# KiCad board DQBSCEEEEEE.kicad_pcb (continued)
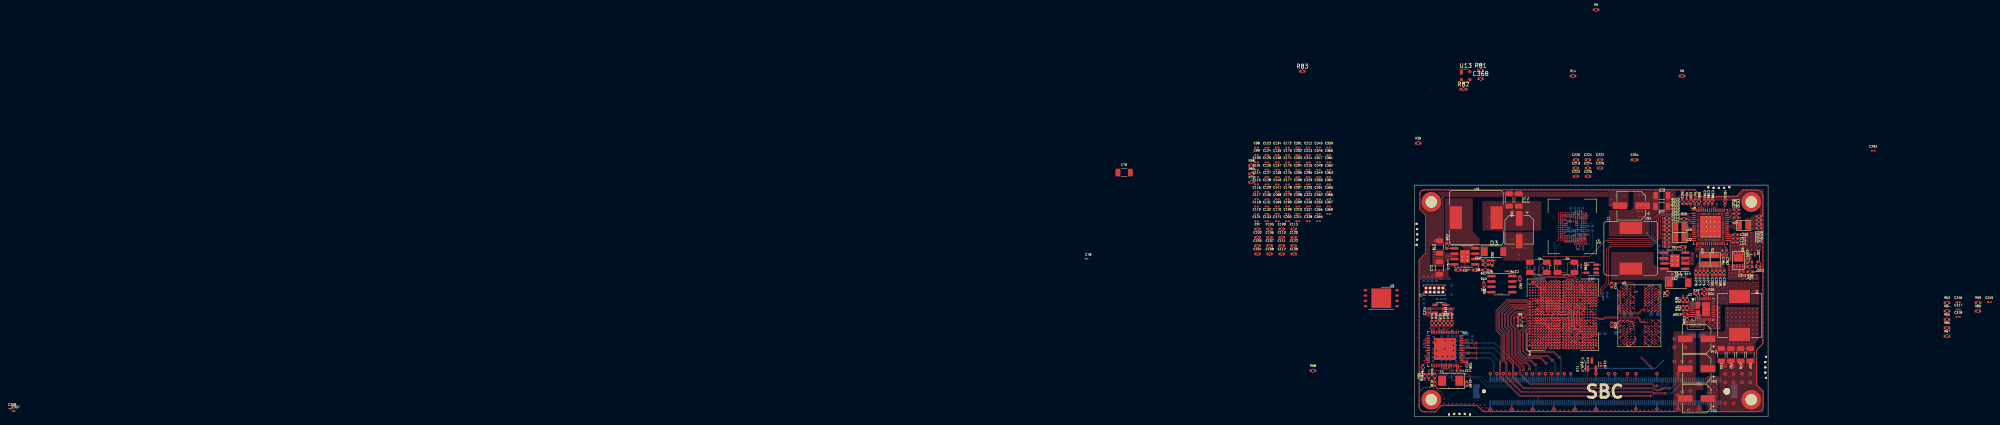
[diagram p0: board, top side]
## Routing (per net, layer and track width the routed paths; a pad name or vN(x,y) marks a point on that pad's centre or on a via; arc(x,y) is an arc through that point) (continued)
/MPU/RTC_CLK: length 5.6
  TOP w0.11: v1(40.01,34.17) U12.5
  TOP w0.25: U1.V22 38.77,30.31
  S1 w0.11: v1(40.01,34.17) 39.07,33.23 39.07,30.61 v1(38.77,30.31)
/MPU/RTC_nRST: length 0.4
  TOP w0.25: U1.W19 39.42,28.36
  vias: v1(39.43,28.36)
/POWER/PMIC_ON: length 4.8
  TOP w0.11: U8.56 65.98,49.01 65.63,49.36 R23.1
  TOP w0.25: R23.1 R24.2 63.64,50.59 C291.1
BOOT_MODE0: length 0.1
  TOP w0.2: 39.13,19.7 39.13,19.67 U1.W6
BOOT_MODE1: length 0.4
  TOP w0.25: U1.V6 38.77,19.37
  vias: v1(38.77,19.37)
BT_DEV_WAKE: length 0.4
  TOP w0.25: U1.G21 v1(31.08,29.66)
  vias: v1(31.08,29.66)
BT_HOST_WAKE: length 0.4
  TOP w0.25: U1.M20 34.33,29.01
  vias: v1(34.33,29.01)
CLK1_N: length 0.4
  TOP w0.25: U1.T23 37.47,30.96
  vias: v1(37.48,30.96)
CLK1_P: length 0.4
  TOP w0.25: U1.R23 36.82,30.96
  vias: v1(36.82,30.96)
CLK2_N: length 0.4
  TOP w0.25: U1.U22 38.12,30.31
  vias: v1(38.13,30.31)
CLK2_P: length 0.4
  TOP w0.25: U1.T22 37.47,30.31
  vias: v1(37.48,30.31)
DRAM_CA0_A: length 0.9
  TOP w0.11: U3.H2 49.51,26.54 v1(49.43,26.54)
  TOP w0.25: U1.AD17 42.67,27.06
  vias: v1(42.68,27.06)
DRAM_CA0_B: length 7.3
  TOP w0.1: U3.R2 v1(49.53,21.36)
  TOP w0.25: U1.AE8 43.32,20.67
  S2 w0.1: v1(49.53,21.36) 49.53,21.36 48.84,20.67 v1(43.32,20.67)
DRAM_CA1_A: length 0.9
  TOP w0.11: U3.J2 49.51,25.89 v1(49.43,25.89)
  TOP w0.25: U1.AE16 43.32,26.41
  vias: v1(43.32,26.41)
DRAM_CA1_B: length 0.4
  TOP w0.25: U1.AE9 43.32,21.32
  vias: v1(43.32,21.32)
DRAM_CA2_A: length 0.9
  TOP w0.11: U3.H9 55.76,26.54 v1(55.83,26.54)
  TOP w0.25: U1.AD20 42.67,29.01
  vias: v1(42.68,29.01)
DRAM_CA2_B: length 0.9
  TOP w0.11: U3.R9 55.76,21.34 v1(55.83,21.34)
  TOP w0.25: U1.AC7 42.02,20.02
  vias: v1(42.02,20.02)
DRAM_CA3_A: length 0.9
  TOP w0.11: U3.H10 56.56,26.54 v1(56.63,26.54)
  TOP w0.25: U1.AE20 43.32,29.01
  vias: v1(43.32,29.01)
DRAM_CA3_B: length 0.9
  TOP w0.11: v1(56.63,21.34) 56.56,21.34 U3.R10
  TOP w0.25: U1.AE7 43.32,20.02
  vias: v1(43.32,20.02)
DRAM_CA4_A: length 0.9
  TOP w0.11: v1(57.43,26.54) 57.36,26.54 U3.H11
  TOP w0.25: U1.AD19 42.67,28.36
  vias: v1(42.68,28.36)
DRAM_CA4_B: length 0.9
  TOP w0.11: U3.R11 57.36,21.34 v1(57.43,21.34)
  TOP w0.25: U1.AE6 43.32,19.37
  vias: v1(43.32,19.37)
DRAM_CA5_A: length 0.9
  TOP w0.11: v1(57.43,25.89) 57.36,25.89 U3.J11
  TOP w0.25: U1.AE19 43.32,28.36
  vias: v1(43.32,28.36)
DRAM_CA5_B: length 0.9
  TOP w0.11: v1(57.43,21.99) 57.36,21.99 U3.P11
  TOP w0.25: U1.AD6 42.67,19.37
  vias: v1(42.67,19.37)
DRAM_CKA_N: length 7.8
  TOP w0.11: 48.22,24.55 48.39,24.39 53.26,24.39 54.18,25.31 54.49,25.31 54.52,25.28 54.75,25.28 54.78,25.31 55.18,25.31 U3.J9
DRAM_CKA_P: length 6.7
  TOP w0.11: U3.J8 54.08,25.56 53.15,24.64 48.49,24.64 48.4,24.73
DRAM_CKB_N: length 13.4
  TOP w0.11: U1.AE12 43.65,23.54 43.88,23.32 44.84,23.32 45.18,23.66 53.18,23.66 53.66,23.19 53.66,22.82 53.91,22.56 54.49,22.56 54.52,22.59 54.75,22.59 55.03,22.31 U3.P9
DRAM_CKB_P: length 13.3
  TOP w0.11: U1.AD12 42.65,23.29 42.82,23.29 42.87,23.25 43.24,23.25 43.29,23.29 43.55,23.29 43.77,23.07 44.94,23.07 45.28,23.41 53.08,23.41 53.41,23.09 53.41,22.71 53.81,22.31 U3.P8
DRAM_CKE0_A: length 0.9
  TOP w0.11: v1(51.03,25.89) 51.11,25.89 U3.J4
  TOP w0.25: U1.AC16 42.02,26.41
  vias: v1(42.02,26.41)
DRAM_CKE0_B: length 9.6
  TOP w0.11: U3.P4 51.11,21.99 v1(51.03,21.99)
  TOP w0.25: U1.AD10 42.67,21.97
  S2 w0.1: v1(42.67,21.97) 42.96,21.68 44.9,21.68 45.23,22.01 51.13,22.01
DRAM_CKE1_A: length 0.4
  TOP w0.25: U1.AE17 43.32,27.06
  vias: v1(43.32,27.06)
DRAM_CKE1_B: length 0.9
  TOP w0.11: v1(51.83,25.89) 51.91,25.89 U3.J5
  TOP w0.25: U1.AE10 43.32,21.97
  vias: v1(43.32,21.97)
DRAM_DM0: length 0.9
  TOP w0.11: v1(50.23,29.79) 50.31,29.79 U3.C3
  TOP w0.25: U1.AD23 42.67,30.96 42.68,30.96
DRAM_DM1: length 21.3
  TOP w0.11: U3.C10 56.56,29.79 v1(56.63,29.79)
  TOP w0.25: U1.AB20 41.37,29.01
  S1 w0.11: v1(41.38,29.01) 41.73,29.37 41.73,30.04 45.21,33.51 55.21,33.51 56.23,32.49 56.23,30.19 v1(56.63,29.79)
DRAM_DM2: length 9.4
  TOP w0.11: v1(50.23,18.09) 50.31,18.09 U3.Y3
  TOP w0.25: U1.AD3 42.67,17.42
  S2 w0.11: 50.33,18.11 50.02,18.43 43.24,18.43 42.98,18.16 42.98,17.91 42.84,17.77 42.84,17.59 v1(42.67,17.42)
DRAM_DM3: length 0.9
  TOP w0.11: v1(56.63,18.09) 56.56,18.09 U3.Y10
  TOP w0.25: U1.AB6 41.37,19.37
  vias: v1(41.37,19.37)
DRAM_DQ0: length 0.9
  TOP w0.11: U3.B2 49.51,30.44 v1(49.43,30.44)
  TOP w0.25: U1.AE23 43.32,30.96
DRAM_DQ1: length 0.9
  TOP w0.11: U3.C2 49.51,29.79 v1(49.43,29.79)
  TOP w0.2: 42.68,31.61 42.41,31.34 U1.AD24
DRAM_DQ2: length 0.9
  TOP w0.11: U3.E2 49.51,28.49 v1(49.43,28.49)
  TOP w0.25: U1.AE22 43.32,30.31
  vias: v1(43.32,30.31)
DRAM_DQ3: length 0.4
  TOP w0.25: U1.AD22 42.67,30.31
  vias: v1(42.68,30.31)
DRAM_DQ4: length 0.9
  TOP w0.11: U3.F4 51.11,27.84 v1(51.03,27.84)
  TOP w0.25: U1.AA24 40.72,31.61
DRAM_DQ5: length 0.9
  TOP w0.11: v1(51.03,28.49) 51.11,28.49 U3.E4
  TOP w0.25: U1.Y25 40.07,32.26
DRAM_DQ6: length 0.9
  TOP w0.11: U3.C4 51.11,29.79 v1(51.03,29.79)
  TOP w0.25: U1.AA25 40.72,32.26
DRAM_DQ7: length 0.9
  TOP w0.11: U3.B4 51.11,30.44 v1(51.03,30.44)
  TOP w0.25: U1.AB25 41.37,32.26
DRAM_DQ8: length 21.9
  TOP w0.11: v1(57.43,30.44) 57.36,30.44 U3.B11
  TOP w0.25: U1.AB22 41.37,30.31
  S1 w0.11: v1(57.43,30.44) 57.21,30.66 57.21,33.59 56.98,33.81 44.28,33.81 41.73,31.26 41.73,30.71 41.38,30.36 v1(41.38,30.31)
DRAM_DQ9: length 27.2
  TOP w0.11: U3.C11 57.4,29.83 57.95,29.83 58.26,30.14 v1(58.26,30.99)
  TOP w0.25: U1.AA22 40.72,30.31
  S1 w0.11: v1(58.26,30.99) 58.26,34.01 57.68,34.59 42.68,34.59 40.13,32.04 40.13,30.79 40.61,30.31 v1(40.73,30.31)
DRAM_DQ10: length 25.8
  TOP w0.11: U3.E11 57.36,28.49 v1(57.43,28.49)
  TOP w0.25: U1.AA23 40.72,30.96
  S1 w0.11: v1(40.73,30.96) 40.58,31.11 40.58,31.49 43.33,34.24 57.43,34.24 57.83,33.84 57.83,30.79 58.08,30.54 58.08,29.91 57.83,29.66 57.83,28.89 v1(57.43,28.49)
DRAM_DQ11: length 28
  TOP w0.11: v1(57.43,27.84) 57.36,27.84 U3.F11
  TOP w0.25: U1.AA20 40.72,29.01
  S1 w0.11: v1(57.43,27.84) 57.03,28.24 57.03,29.24 57.88,30.09 57.88,30.46 ; 57.88,30.46 57.58,30.76 57.58,33.61 57.18,34.01 43.61,34.01 41.08,31.49 41.08,29.37 v1(40.73,29.01) ; 57.88,30.46 57.63,30.71
DRAM_DQ12: length 0.9
  TOP w0.11: v1(55.83,27.84) 55.76,27.84 U3.F9
  TOP w0.25: U1.AA18 40.72,27.71
  vias: v1(40.73,27.71)
DRAM_DQ13: length 0.9
  TOP w0.11: U3.E9 55.76,28.49 v1(55.83,28.49)
  TOP w0.25: U1.AB19 41.37,28.36
  vias: v1(41.38,28.36)
DRAM_DQ14: length 0.9
  TOP w0.11: v1(55.83,29.79) 55.76,29.79 U3.C9
  TOP w0.25: U1.AA19 40.72,28.36
  vias: v1(40.73,28.36)
DRAM_DQ15: length 1.3
  TOP w0.11: v1(55.83,30.44) 55.76,30.44 U3.B9
  TOP w0.25: U1.AE3 43.32,17.42 ; U1.AA17 40.72,27.06
  vias: v1(40.73,27.06) v1(43.32,17.42)
DRAM_DQ16: length 8.1
  TOP w0.11: v1(49.43,17.44) 49.51,17.44 U3.AA2
  TOP w0.25: U1.AD2 42.67,16.77
  S2 w0.1: v1(42.67,16.77) 42.79,16.77 43.13,17.11 49.18,17.11 49.53,17.46 49.53,17.46
DRAM_DQ17: length 7.1
  TOP w0.11: v1(49.43,18.09) 49.51,18.09 U3.Y2
  TOP w0.25: U1.AE4 43.32,18.07
  S2 w0.1: v1(43.32,18.07) 45.09,18.07 45.13,18.11 49.53,18.11
DRAM_DQ18: length 8.6
  TOP w0.11: U3.V2 49.51,19.39 v1(49.43,19.39)
  TOP w0.25: U1.AD4 42.67,18.07
  S2 w0.1: v1(42.67,18.07) 42.67,18.31 42.96,18.6 42.96,18.8 43.23,19.06 44.13,19.06 44.18,19.11 49.23,19.11 49.53,19.41
DRAM_DQ19: length 12.4
  TOP w0.11: v1(49.43,20.04) 49.51,20.04 U3.U2
  TOP w0.25: U1.AA2 40.72,16.77
  S2 w0.1: 49.53,20.06 49.24,19.77 46.63,19.77 46.59,19.81 45.89,19.81 45.72,19.98 45.43,19.98 45.34,19.89 45.1,19.89 44.92,19.71 41.95,19.71 41.68,19.44 41.68,18.61 41.43,18.36 41.25,18.36 41.08,18.19 41.08,17.06 40.79,16.77 v1(40.72,16.77)
DRAM_DQ20: length 16
  TOP w0.11: v1(51.03,20.04) 51.11,20.04 U3.U4
  TOP w0.25: U1.Y1 40.07,16.12
  S2 w0.1: 51.13,20.06 51.13,20.06 50.73,20.46 46.34,20.46 46.04,20.16 45.81,20.16 45.8,20.17 45.35,20.17 45.34,20.16 43.59,20.16 43.44,20.31 41.23,20.31 41.01,20.1 41.01,18.55 40.83,18.36 40.58,18.36 40.38,18.16 40.38,16.43 v1(40.07,16.12)
DRAM_DQ21: length 18.4
  TOP w0.25: U1.AA1 40.72,16.12
  S2 w0.1: 51.73,19.41 52.63,19.41 53.48,18.56 53.48,16.71 52.23,15.46 45.53,15.46 44.88,14.81 42.03,14.81 v1(40.72,16.12)
DRAM_DQ22: length 13.4
  TOP w0.11: v1(51.03,18.09) 51.11,18.09 U3.Y4
  TOP w0.25: U1.AB1 41.37,16.12
  S2 w0.1: 51.73,18.11 51.73,18.02 51.53,17.81 51.53,17.31 51.38,17.16 50.73,17.16 50.23,16.66 43.98,16.66 43.73,16.41 42.63,16.41 42.56,16.48 42.55,16.48 42.33,16.71 42.33,16.91 42.18,17.06 41.83,17.06 41.66,16.9 41.66,16.89 41.66,16.41 v1(41.37,16.12)
DRAM_DQ23: length 11.7
  TOP w0.11: v1(51.03,17.44) 51.11,17.44 U3.AA4
  TOP w0.25: U1.AB4 41.37,18.07
  S2 w0.1: v1(41.37,18.07) 41.66,17.78 42.07,17.78 42.33,17.53 42.33,17.31 42.51,17.13 42.8,17.13 43.03,17.37 43.03,17.54 43.27,17.78 50.82,17.78 51.13,17.46
DRAM_DQ24: length 0.9
  TOP w0.11: U3.AA11 57.36,17.44 v1(57.43,17.44)
  TOP w0.25: U1.AA4 40.72,18.07
  vias: v1(40.72,18.07)
DRAM_DQ25: length 0.9
  TOP w0.11: v1(57.43,18.09) 57.36,18.09 U3.Y11
  TOP w0.25: U1.AA3 40.72,17.42
  vias: v1(40.72,17.42)
DRAM_DQ26: length 0.9
  TOP w0.11: v1(57.43,19.39) 57.36,19.39 U3.V11
  TOP w0.25: U1.AA6 40.72,19.37
  vias: v1(40.72,19.37)
DRAM_DQ27: length 0.9
  TOP w0.11: U3.U11 57.36,20.04 v1(57.43,20.04)
  TOP w0.25: U1.AA8 40.72,20.67
  vias: v1(40.72,20.67)
DRAM_DQ28: length 0.9
  TOP w0.11: U3.U9 55.76,20.04 v1(55.83,20.04)
  TOP w0.25: U1.AA7 40.72,20.02
  vias: v1(40.72,20.02)
DRAM_DQ29: length 0.5
  TOP w0.11: U3.V9 55.76,19.39 v1(55.83,19.39)
DRAM_DQ30: length 0.9
  TOP w0.11: U3.Y9 55.76,18.09 v1(55.83,18.09)
  TOP w0.25: U1.AA9 40.72,21.32
  vias: v1(40.72,21.32)
DRAM_DQS0_N: length 0.4
  TOP w0.25: U1.AC25 42.02,32.26
DRAM_DQS0_P: length 0.9
  TOP w0.11: U3.D3 50.31,29.14 v1(50.23,29.14)
  TOP w0.25: U1.AC24 42.02,31.61
DRAM_DQS1_N: length 0.9
  TOP w0.11: U3.E10 56.56,28.49 v1(56.63,28.49)
  TOP w0.25: U1.AC21 42.02,29.66
  vias: v1(42.02,29.66)
DRAM_DQS1_P: length 0.9
  TOP w0.11: v1(56.63,29.14) 56.56,29.14 U3.D10
  TOP w0.25: U1.AB21 41.37,29.66
  vias: v1(41.38,29.66)
DRAM_DQS2_N: length 17.3
  TOP w0.11: v1(50.23,19.39) 50.31,19.39 U3.V3
  TOP w0.25: U1.AC1 42.02,16.12
  S2 w0.11: 50.33,19.41 50.53,19.22 51,19.22 51.23,18.99 52.33,18.99 52.96,18.37 52.96,17.11 51.73,15.88 45.28,15.88 44.78,15.38 42.52,15.38 42.02,15.88 v1(42.02,16.12)
DRAM_DQS2_P: length 16.8
  TOP w0.11: v1(50.23,18.74) 50.31,18.74 U3.W3
  TOP w0.25: v1(42.02,16.77) 42.02,16.77 U1.AC2
  S2 w0.11: v1(42.02,16.77) 42.02,16.57 42.32,16.27 42.32,15.96 42.63,15.64 44.67,15.64 45.17,16.14 51.62,16.14 52.7,17.22 52.7,18.26 52.22,18.73 51.12,18.73 50.9,18.96 50.53,18.96 50.33,18.76
DRAM_DQS3_N: length 0.9
  TOP w0.11: U3.V10 56.56,19.39 v1(56.63,19.39)
  TOP w0.25: U1.AC5 42.02,18.72
  vias: v1(42.02,18.72)
DRAM_DQS3_P: length 0.9
  TOP w0.11: v1(56.63,18.74) 56.56,18.74 U3.W10
  TOP w0.25: U1.AB5 41.37,18.72
  vias: v1(41.37,18.72)
DRAM_nCS0_A: length 0.9
  TOP w0.11: U3.H4 51.11,26.54 v1(51.03,26.54)
  TOP w0.25: U1.AE18 43.32,27.71
  vias: v1(43.32,27.71)
DRAM_nCS0_B: length 10.5
  TOP w0.11: v1(51.03,21.34) 51.11,21.34 U3.R4
  TOP w0.25: v1(42.02,21.32) 42.02,21.32 U1.AC9
  S2 w0.1: 51.13,21.36 50.68,21.36 50.38,21.66 45.68,21.66 45.05,21.03 42.31,21.03 v1(42.02,21.32)
DRAM_nCS1_A: length 0.9
  TOP w0.11: v1(50.23,26.54) 50.31,26.54 U3.H3
  TOP w0.25: U1.AC18 42.02,27.71
  vias: v1(42.02,27.71)
DRAM_nCS1_B: length 0.4
  TOP w0.25: U1.AD8 42.67,20.67
  vias: v1(42.67,20.67)
DRAM_nRST: length 0.5
  TOP w0.11: U3.T11 57.36,20.69 v1(57.43,20.69)
DRAM_VREF: length 1.7
  TOP w0.25: U8.31 75.17,42.82 75.17,42.84 75.55,43.22 75.75,43.22
DSI_D0_N: length 70.4
  TOP w0.1: v1(59.6,5.27) 59.5,5.38 56.78,5.38 56.38,5.77 54.05,5.77 53.91,5.64 25.44,5.64 21.72,9.36 21.72,12.61 21.17,13.16 21.17,19.61 20.02,20.76 20.02,24.91 22.38,27.27 26.7,27.27 27.18,26.79 U1.A17
  BOT w0.1: J1.A92 63.6,8.25 63.48,8.12 63.48,7.8 61.05,5.38 59.7,5.38 v1(59.6,5.27)
DSI_D0_P: length 70
  TOP w0.1: U1.B17 27.85,26.54 27.68,26.54 27.64,26.5 27.27,26.5 27.23,26.54 27.08,26.54 26.6,27.02 22.48,27.02 20.27,24.81 20.27,20.86 21.42,19.71 21.42,13.26 21.97,12.71 21.97,9.46 25.55,5.89 53.81,5.89 53.95,6.02 56.49,6.02 56.89,5.62 59.5,5.62 v1(59.6,5.72)
  BOT w0.1: J1.A91 63.1,8.25 63.23,8.12 63.23,7.9 60.95,5.62 59.7,5.62 v1(59.6,5.72)
DSI_D1_N: length 66
  TOP w0.1: v1(60.6,6.47) 60.5,6.57 58.85,6.57 58.45,6.17 57.25,6.17 56.85,6.57 25.95,6.57 23.27,9.26 23.27,12.41 21.77,13.91 21.77,19.91 20.72,20.96 20.72,24.71 22.7,26.69 26.63,26.69 27.18,26.14 U1.A16
  BOT w0.1: J1.A89 62.1,8.25 61.98,8.12 61.98,7.7 60.85,6.57 60.7,6.57 v1(60.6,6.47)
DSI_D1_P: length 65.6
  TOP w0.1: v1(60.6,6.92) 60.5,6.82 58.75,6.82 58.35,6.42 57.35,6.42 56.95,6.82 26.06,6.82 23.52,9.36 23.52,12.51 22.02,14.01 22.02,20.01 20.97,21.06 20.97,24.61 22.8,26.44 26.52,26.44 27.07,25.89 27.23,25.89 27.27,25.85 27.64,25.85 27.68,25.89 27.85,25.89 U1.B16
  BOT w0.1: J1.A88 61.6,8.25 61.73,8.12 61.73,7.8 60.75,6.82 60.7,6.82 v1(60.6,6.92)
DSI_D2_N: length 70.1
  TOP w0.1: U1.A18 27.18,27.44 26.83,27.79 21.95,27.79 19.37,25.21 19.37,20.41 20.57,19.21 20.57,13.21 20.27,12.91 20.27,9.46 24.95,4.77 56,4.77 v1(56.1,4.67)
  BOT w0.1: v1(56.1,4.67) 56.2,4.77 56.65,4.77 58.25,6.38 58.95,6.38 60.48,7.9 60.48,8.12 60.6,8.25 J1.A86
DSI_D2_P: length 69.6
  TOP w0.1: U1.B18 27.85,27.19 27.68,27.19 27.64,27.15 27.27,27.15 27.23,27.19 27.08,27.19 26.73,27.54 22.05,27.54 19.62,25.11 19.62,20.51 20.82,19.31 20.82,13.11 20.52,12.81 20.52,9.56 25.06,5.02 56,5.02 v1(56.1,5.12)
  BOT w0.1: J1.A85 60.1,8.25 60.23,8.12 60.23,8 58.85,6.62 58.15,6.62 56.55,5.02 56.2,5.02 v1(56.1,5.12)
DSI_D3_N: length 59.4
  TOP w0.1: U1.A15 27.15,25.49 26.45,26.19 23.2,26.19 21.42,24.41 21.42,21.26 22.42,20.26 22.42,14.16 24.87,11.71 24.87,10.16 27.49,7.54 56.54,7.54 56.9,7.17 57.5,7.17 v1(57.6,7.07)
  BOT w0.1: v1(57.6,7.07) 57.7,7.17 58.45,7.17 58.98,7.7 58.98,8.12 59.1,8.25 J1.A83
DSI_D3_P: length 59
  TOP w0.1: U1.B15 27.85,25.24 27.68,25.24 27.64,25.2 27.27,25.2 27.23,25.24 27.05,25.24 26.35,25.94 23.3,25.94 21.67,24.31 21.67,21.36 22.67,20.36 22.67,14.26 25.12,11.81 25.12,10.26 27.6,7.79 56.65,7.79 57.01,7.42 57.5,7.42 v1(57.6,7.52)
  BOT w0.1: J1.A82 58.6,8.25 58.73,8.12 58.73,7.8 58.35,7.42 57.7,7.42 v1(57.6,7.52)
ENET_INT: length 2
  TOP w0.11: U5.51 2.67,12.87 R49.2
  TOP w0.25: U1.N6 35.52,19.37
ENET_MDC: length 0.9
  TOP w0.1: v3(2.5,14.4) 2.83,14.07 U5.48
ENET_MDIO: length 86.7
  TOP w0.1: U5.50 v3(2.33,13.27) ; v3(2.23,17.27) 3.29,17.27
  TOP w0.11: 5.1,22.71 v1(5.1,23.29)
  TOP w0.25: 35.25,28.74 35.52,29.01 ; 36.55,29.39 36.82,29.66 ; U1.N19 35.52,28.36 ; 35.9,29.39 36.17,29.66
  S1 w0.11: v1(5.1,23.29) 4.74,23.29 4.4,22.95 3.95,22.95 3.8,23.1 3.8,24 3.85,24.05 3.85,24.4 7.85,28.4 28.95,28.4 29.3,28.05 34.75,28.05 35.4,28.7 35.4,29.15 35.65,29.4 35.75,29.4 35.9,29.55 35.9,29.85 37.29,29.85 37.48,29.66
  S2 w0.1: v1(36.82,29.66) 36.82,29.78 36.51,30.1 36.51,30.44 36.3,30.64 17.7,30.64 10,22.94 10,22.49 9.18,21.67 3.75,21.67 1.91,19.83 1.91,17.59 v3(2.23,17.27)
  vias: v1(35.52,29.01) v1(35.52,28.36) v1(36.18,29.66)
ENET_NRST: length 4.2
  TOP w0.11: U5.53 4.43,11.42 4.08,11.07 3.68,11.07 v3(3.38,10.77) C328.1 3.35,10.13 2.38,10.13
  TOP w0.25: R54.2 v3(2.38,8.67)
ENET_RD0: length 37.2
  TOP w0.11: R41.1 v1(6.05,23.29)
  TOP w0.25: U1.U19 38.12,28.36
  S1 w0.11: v1(38.13,28.36) 38.11,28.36 37.8,28.05 37.8,27.55 37.61,27.36 35.4,27.36 34.81,26.77 26.13,26.77 25.35,27.55 8.45,27.55 6.05,25.15 v1(6.05,23.29)
ENET_RD1: length 37.8
  TOP w0.11: R42.1 v1(7,23.29)
  TOP w0.25: U1.U21 38.12,29.66
  S1 w0.11: v1(7,23.29) 7,25.3 7.82,26.12 37.47,26.12 38.42,27.07 38.42,29.37 v1(38.13,29.66)
ENET_RD2: length 1
  TOP w0.11: R43.1 v1(7.95,23.29)
  TOP w0.25: U1.U20 38.12,29.01
ENET_RD3: length 1
  TOP w0.11: R44.1 v1(8.9,23.29)
  TOP w0.25: U1.V19 38.77,28.36
ENET_RX_CTL: length 0.4
  TOP w0.25: U1.T21 37.47,29.66
ENET_RXC: length 38.6
  TOP w0.11: R45.1 v1(4.15,23.29)
  TOP w0.25: U1.T20 37.47,29.01
  S1 w0.11: v1(4.15,23.29) 4.15,24.1 8.25,28.2 27.4,28.2 28.2,27.4 34.7,27.4 35.31,28.01 35.61,28.01 35.8,28.2 35.8,29.12 35.99,29.31 37.18,29.31 v1(37.48,29.01)
ENET_TD0: length 44.6
  TOP w0.1: v3(2.23,18.07) 3.29,18.07
  TOP w0.25: U1.R20 36.82,29.01 ; 35.9,30.04 36.17,30.31 ; 36.55,30.04 36.82,30.31
  S2 w0.1: v1(36.82,29.01) 36.82,29.09 36.49,29.42 36.49,29.81 36.32,29.98 26.5,29.98 25.21,28.69 16.25,28.69 12.63,25.07 12.63,22.67 9.95,20 2.88,20 2.23,19.35 v3(2.23,18.07)
  vias: v1(36.18,30.31) v1(36.82,30.31)
ENET_TD3: length 0.4
  TOP w0.25: U1.P20 36.17,29.01
  vias: v1(36.18,29.01)
ENET_TX_CTL: length 0.4
  TOP w0.25: U1.P19 36.17,28.36
ENET_TXC: length 42.3
  TOP w0.1: v3(2.63,18.47) 3.29,18.47
  TOP w0.25: U1.T19 37.47,28.36
  S2 w0.1: v3(2.63,18.47) 3.68,19.52 10.11,19.52 12.75,22.16 13.22,22.16 13.53,22.47 13.53,24.77 16.79,28.03 25.09,28.03 26.39,29.33 36.31,29.33 36.49,29.15 36.49,28.81 36.62,28.68 37.16,28.68 v1(37.48,28.36)
GBE0_MDI0_N: length 18.4
  TOP w0.1: U5.12 11.62,17.27 arc(11.7,17.33) 11.8,17.35 14.67,17.35 v1(14.77,17.25)
  BOT w0.1: J1.A11 23.1,9.37 arc(23.19,9.51) 23.23,9.67 23.23,13.24 19.11,17.35 14.87,17.35 v1(14.77,17.25)
GBE0_MDI0_P: length 18.9
  TOP w0.1: v1(14.77,17.7) 14.67,17.6 11.8,17.6 arc(11.7,17.62) 11.62,17.67 U5.13
  BOT w0.1: J1.A12 23.6,9.38 arc(23.51,9.51) 23.48,9.68 23.48,13.34 19.22,17.6 14.87,17.6 v1(14.77,17.7)
GBE0_MDI1_N: length 16.5
  TOP w0.1: v1(14.77,16.05) 14.67,16.15 11.79,16.15 arc(11.69,16.13) 11.61,16.07 U5.9
  BOT w0.1: J1.A8 21.6,9.37 arc(21.69,9.51) 21.73,9.67 21.73,13.34 18.91,16.15 14.87,16.15 v1(14.77,16.05)
GBE0_MDI1_P: length 16.9
  TOP w0.1: U5.10 11.61,16.47 arc(11.69,16.42) 11.79,16.4 14.67,16.4 v1(14.77,16.5)
  BOT w0.1: J1.A9 22.1,9.38 arc(22.01,9.51) 21.98,9.68 21.98,13.44 19.02,16.4 14.87,16.4 v1(14.77,16.5)
GBE0_MDI2_N: length 14.2
  TOP w0.1: v1(14.77,14.85) 14.67,14.95 11.79,14.95 arc(11.69,14.93) 11.61,14.87 U5.6
  BOT w0.1: J1.A5 20.1,9.37 arc(20.19,9.51) 20.23,9.67 20.23,12.84 18.11,14.95 14.87,14.95 v1(14.77,14.85)
GBE0_MDI2_P: length 14.6
  TOP w0.1: v1(14.77,15.3) 14.67,15.2 11.79,15.2 arc(11.69,15.22) 11.61,15.27 U5.7
  BOT w0.1: J1.A6 20.6,9.38 arc(20.51,9.51) 20.48,9.68 20.48,12.94 18.22,15.2 14.87,15.2 v1(14.77,15.3)
GBE0_MDI3_N: length 12.2
  TOP w0.1: v1(14.77,13.65) 14.67,13.75 11.8,13.75 arc(11.7,13.73) 11.62,13.67 U5.3
  BOT w0.1: J1.A2 18.6,9.37 arc(18.69,9.51) 18.73,9.67 18.73,12.87 17.85,13.75 14.87,13.75 v1(14.77,13.65)
GBE0_MDI3_P: length 12.6
  TOP w0.1: U5.4 11.62,14.07 arc(11.7,14.02) 11.8,14 14.67,14 v1(14.77,14.1)
  BOT w0.1: J1.A3 19.1,9.38 arc(19.01,9.51) 18.98,9.68 18.98,12.97 17.95,14 14.87,14 v1(14.77,14.1)
GPIO1: length 1.9
  TOP w0.25: U1.T7 37.47,20.02
  BOT w0.35: J1.B31 v4(33.1,1.8)
  vias: v1(37.47,20.02)
GPIO2: length 0.4
  TOP w0.25: U1.R4 36.82,18.07
  vias: v1(36.82,18.07)
GPIO3: length 0.4
  TOP w0.25: U1.P4 36.17,18.07
  vias: v1(36.17,18.07)
GPIO4: length 0.4
  TOP w0.25: U1.P5 36.17,18.72
  vias: v1(36.17,18.72)
GPIO5: length 0.4
  TOP w0.25: U1.P7 36.17,20.02
  vias: v1(36.17,20.02)
GPIO6: length 0.4
  TOP w0.25: U1.N5 35.52,18.72
  vias: v1(35.52,18.72)
GPIO8: length 0.4
  TOP w0.25: U1.N7 35.52,20.02
  vias: v1(35.52,20.02)
GPIO9: length 0.4
  TOP w0.25: U1.M6 34.33,19.37
  vias: v1(34.33,19.37)
GPIO10: length 1.9
  TOP w0.25: U1.M7 34.33,20.02
  BOT w0.35: J1.B41 v4(38.1,1.8)
  vias: v1(34.33,20.02)
GPIO11: length 0.4
  TOP w0.25: U1.L6 33.68,19.37
  vias: v1(33.68,19.37)
GPIO12: length 0.4
  TOP w0.25: U1.L7 33.68,20.02
  vias: v1(33.68,20.02)
GPIO13: length 0.4
  TOP w0.25: U1.K6 33.03,19.37
  vias: v1(33.03,19.37)
GPIO14: length 0.4
  TOP w0.25: U1.K7 33.03,20.02
  vias: v1(33.03,20.02)
GPIO15: length 0.4
  TOP w0.25: U1.J6 32.38,19.37
  vias: v1(32.38,19.37)
HDMI_REFCLK_N: length 0.4
  TOP w0.25: U1.R1 36.82,16.12
HDMI_REFCLK_P: length 0.4
  TOP w0.25: U1.R2 36.82,16.77
  vias: v1(36.82,16.77)
HDMI_SCL: length 0.4
  TOP w0.25: U1.R3 36.82,17.42
  vias: v1(36.82,17.42)
HDMI_SDA: length 0.4
  TOP w0.25: U1.P3 36.17,17.42
  vias: v1(36.17,17.42)
HDMI_TX0_M: length 0.4
  TOP w0.25: U1.T2 37.47,16.77
  vias: v1(37.47,16.77)
HDMI_TX0_P: length 0.4
  TOP w0.25: U1.T1 37.47,16.12
HDMI_TX1_M: length 0.4
  TOP w0.25: U1.U1 38.12,16.12
HDMI_TX1_P: length 0.4
  TOP w0.25: U1.U2 38.12,16.77
  vias: v1(38.12,16.77)
HDMI_TX2_M: length 0.4
  TOP w0.25: U1.N1 35.52,16.12
  vias: v1(35.52,16.12)
HDMI_TX2_P: length 0.4
  TOP w0.25: U1.N2 35.52,16.77
  vias: v1(35.52,16.77)
HDMI_TX3_M: length 0.4
  TOP w0.25: U1.M2 34.33,16.77
  vias: v1(34.33,16.77)
HDMI_TX3_P: length 0.4
  TOP w0.25: U1.M1 34.33,16.12
  vias: v1(34.33,16.12)
I2C1_SCL: length 6.4
  TOP w0.11: U1.E7 29.78,20.02
  S1 w0.11: 30.1,15.3 30.1,19.4 29.78,19.72 v1(29.78,20.02)
  BOT w0.11: J1.B22 28.6,4.47
I2C1_SDA: length 2.4
  TOP w0.11: U1.E8 29.78,20.67
  BOT w0.1: 29.79,4.84 29.47,4.84 29.23,4.59 29.23,3.88 29.1,3.75 J1.B23
  vias: v1(29.78,20.67)
I2C2_SCL: length 7.4
  TOP w0.11: v1(31.08,20.02) 31.35,20.29 U1.G7
  S1 w0.11: v1(31.08,20.02) 31.08,19.92 31.4,19.6 31.4,14.7
  BOT w0.1: 29.79,4.59 29.57,4.59 29.48,4.49 29.48,3.88 29.6,3.75 J1.B24
I2C2_SDA: length 5.6
  TOP w0.11: U1.F7 30.43,20.02
  S1 w0.11: 30.8,15 30.8,19.5 30.43,19.87 v1(30.43,20.02)
I2C3_SCL: length 6.8
  TOP w0.25: U1.G8 31.08,20.67
  S1 w0.11: v1(31.08,20.67) 31.08,20.62 31.4,20.3 31.4,19.9 31.7,19.6 31.9,19.6 32.1,19.4 32.1,14.8
I2C3_SDA: length 0.4
  TOP w0.25: U1.E9 29.78,21.32
  vias: v1(29.78,21.32)
JTAG_nTRS: length 0.4
  TOP w0.25: U1.U6 38.12,19.37
  vias: v1(38.12,19.37)
JTAG_TCK: length 0.4
  TOP w0.25: U1.T5 37.47,18.72
  vias: v1(37.47,18.72)
JTAG_TDI: length 0.4
  TOP w0.25: U1.W5 39.42,18.72
  vias: v1(39.42,18.72)
JTAG_TDO: length 0.4
  TOP w0.25: U1.U5 38.12,18.72
  vias: v1(38.12,18.72)
JTAG_TMS: length 0.4
  TOP w0.25: U1.V5 38.77,18.72
  vias: v1(38.77,18.72)
NAND_DATA0: length 0.5
  BOT w0.2: R15.1 v3(38.53,39.81)
NAND_DATA1: length 16.8
  TOP w0.1: v3(39.25,40.43) U4.A4
  TOP w0.25: U1.J20 32.38,29.01
  S1 w0.1: v1(32.38,29.01) 32.05,29.34 32.05,33.24 36.93,38.11 37.63,38.11 39.25,39.73 v3(39.25,40.43)
NAND_DATA2: length 15.5
  TOP w0.1: v3(38.45,40.4) 38.45,41.23 38.75,41.53 U4.A5 38.76,41.92
  TOP w0.25: U1.H22 31.73,30.31
  S1 w0.1: v3(38.45,40.4) 32.86,34.81 32.38,34.81 31.88,34.31 31.88,33.66 31.4,33.19 31.4,30.64 v1(31.73,30.31)
NAND_DATA3: length 19.4
  TOP w0.1: v3(40.95,41.03) 40.95,41.23 40.5,41.68 40.5,42.18 U4.B2
  TOP w0.25: U1.J21 32.38,29.66
  S1 w0.1: v3(40.95,41.03) 40.95,40.01 34,33.07 34,28.84 33.85,28.69 33.55,28.69 33.35,28.89 33.35,29.15 33.16,29.33 32.71,29.33 v1(32.38,29.66)
NAND_DATA4: length 17.2
  TOP w0.1: v3(40.45,41.03) 40.45,41.25 39.99,41.71 39.99,42.19 U4.B3
  TOP w0.25: U1.L20 33.68,29.01
  S1 w0.1: v3(40.45,41.03) 40.45,40.08 39.27,38.9 33.36,33 33.36,29.53 33.68,29.21 v1(33.68,29.01)
NAND_DATA5: length 16
  TOP w0.1: v3(39.68,41.03) 39.5,41.22 39.5,42.18 U4.B4
  TOP w0.25: U1.J22 32.38,30.31
  S1 w0.1: v3(39.68,41.03) 39.68,39.76 37.57,37.66 36.98,37.66 32.71,33.38 32.71,30.64 v1(32.38,30.31)
NAND_DATA7: length 22.5
  TOP w0.1: v3(38.05,41.03) 38.05,41.14 38.5,41.59 38.5,42.18 U4.B6
  TOP w0.25: U1.M19 34.33,28.36
  S1 w0.1: v1(34.33,28.36) 34.6,28.36 35.15,28.92 35.15,33.09 41.68,39.62 41.68,41.41 41.18,41.91 38.92,41.91 v3(38.05,41.03)
NAND_nCE3: length 0.4
  TOP w0.25: U1.H20 31.73,29.01
  vias: v1(31.73,29.01)
NAND_nREADY: length 0.4
  TOP w0.25: U1.K20 33.03,29.01
  vias: v1(33.03,29.01)
NAND_nWE: length 0.4
  TOP w0.25: U1.K22 33.03,30.31
  vias: v1(33.03,30.31)
NAND_nWP: length 0.4
  TOP w0.25: U1.K21 33.03,29.66
  vias: v1(33.03,29.66)
NVCC_3V3: length 6.7
  TOP w0.2: v1(32.38,20.02) 32.11,20.29 U1.H7 ; U1.L3 34.06,17.69 v1(34.33,17.42) ; U1.K3 33.41,17.69 v1(33.68,17.42) ; U1.L18 34.06,27.44 v1(34.33,27.72) ; U1.R5 36.82,19.26 v1(36.82,19.37)
  TOP w0.25: U1.R6 36.82,19.37 ; U1.R5 36.82,18.72 ; U1.L18 33.68,27.71 ; U1.H7 31.73,20.02 ; U1.M3 34.33,17.42 ; U1.L3 33.68,17.42 ; U1.J7 32.38,20.02 ; U1.M18 34.33,27.71 ; U1.K3 33.03,17.42 ; U1.F5 30.43,18.72 ; U1.D8 29.13,20.67
  vias: v1(29.13,20.67) v1(30.43,18.72) v1(31.73,20.02) v1(33.03,17.42) v1(33.68,27.72) v1(36.82,18.72)
NVCC_DRAM_1V1: length 53.1
  TOP w0.1: U8.25 72.08,40.32 72.6,39.8 72.6,36.77 v3(72.78,36.59)
  TOP w0.11: R12.2 46.83,30.31
  TOP w0.2: U3.U8 54.96,20.04 v1(55.03,20.04) ; v1(58.23,22.64) 58.16,22.64 U3.N12 ; U3.W12 58.16,18.74 v1(58.23,18.74) ; U3.N10 56.56,22.64 v1(56.63,22.64) ; v1(41.37,20.67) 41.48,20.67 U1.AC8 ; U3.K10 56.56,25.24 v1(56.63,25.24) ; v1(48.73,25.21) 48.39,25.55 48.39,26.17 v1(48.73,26.51) ; v1(50.33,17.46) 50.31,17.44 50.31,16.98 50.5,16.79 51.11,16.79 v1(51.13,16.81) ; U3.K12 58.16,25.24 v1(58.23,25.24) ; U3.H12 58.16,26.54 v1(58.23,26.54) ; v1(55.03,18.74) 54.96,18.74 U3.W8 ; U1.AD21 U1.AC20 ; v1(50.33,22.66) 50.36,22.64 ; v1(51.93,17.46) 51.58,17.11 U3.AB4 ; v1(41.38,27.06) 41.48,27.06 U1.AC17 ; U1.AC3 41.48,17.42 v1(41.37,17.42) ; U3.R12 58.16,21.34 v1(58.23,21.34) ; v1(55.03,30.44) 54.96,30.44 U3.B8 ; U3.F10 56.56,27.84 v1(56.63,27.84) ; U3.F8 54.96,27.84 v1(55.03,27.84) ; v1(41.38,30.96) 41.48,30.96 U1.AC23 ; U3.A9 55.76,31.09 v1(55.83,31.09) ; v1(56.63,30.44) 56.56,30.44 U3.B10 ; U3.D8 54.96,29.14 v1(55.03,29.14) ; U3.D12 58.16,29.14 v1(58.23,29.14) ; U3.R5 51.85,22.04 51.85,22.54 51.76,22.64 50.96,22.64 U3.N3 ; R13.2 48.4,22.33 ; 48.4,22.33 v1(48.73,22.66) ; 48.4,22.33 48.4,22.29 U3.R1 ; U1.AD5 42.4,18.99 v1(42.02,19.37) ; v1(56.63,17.44) 56.56,17.44 U3.AA10 ; U3.H8 54.96,26.54 v1(55.03,26.54) ; U3.AA5 52.56,18.09 52.56,18.59 52.55,18.59 52.55,18.74 U3.W5 ; U3.AA8 54.96,17.44 v1(55.03,17.44) ; U3.AB9 55.76,16.79 v1(55.83,16.79) ; v1(55.03,21.34) 54.96,21.34 U3.R8